# Altium PCB Tfinal3.PcbDoc (part 1 of 2) (continued)
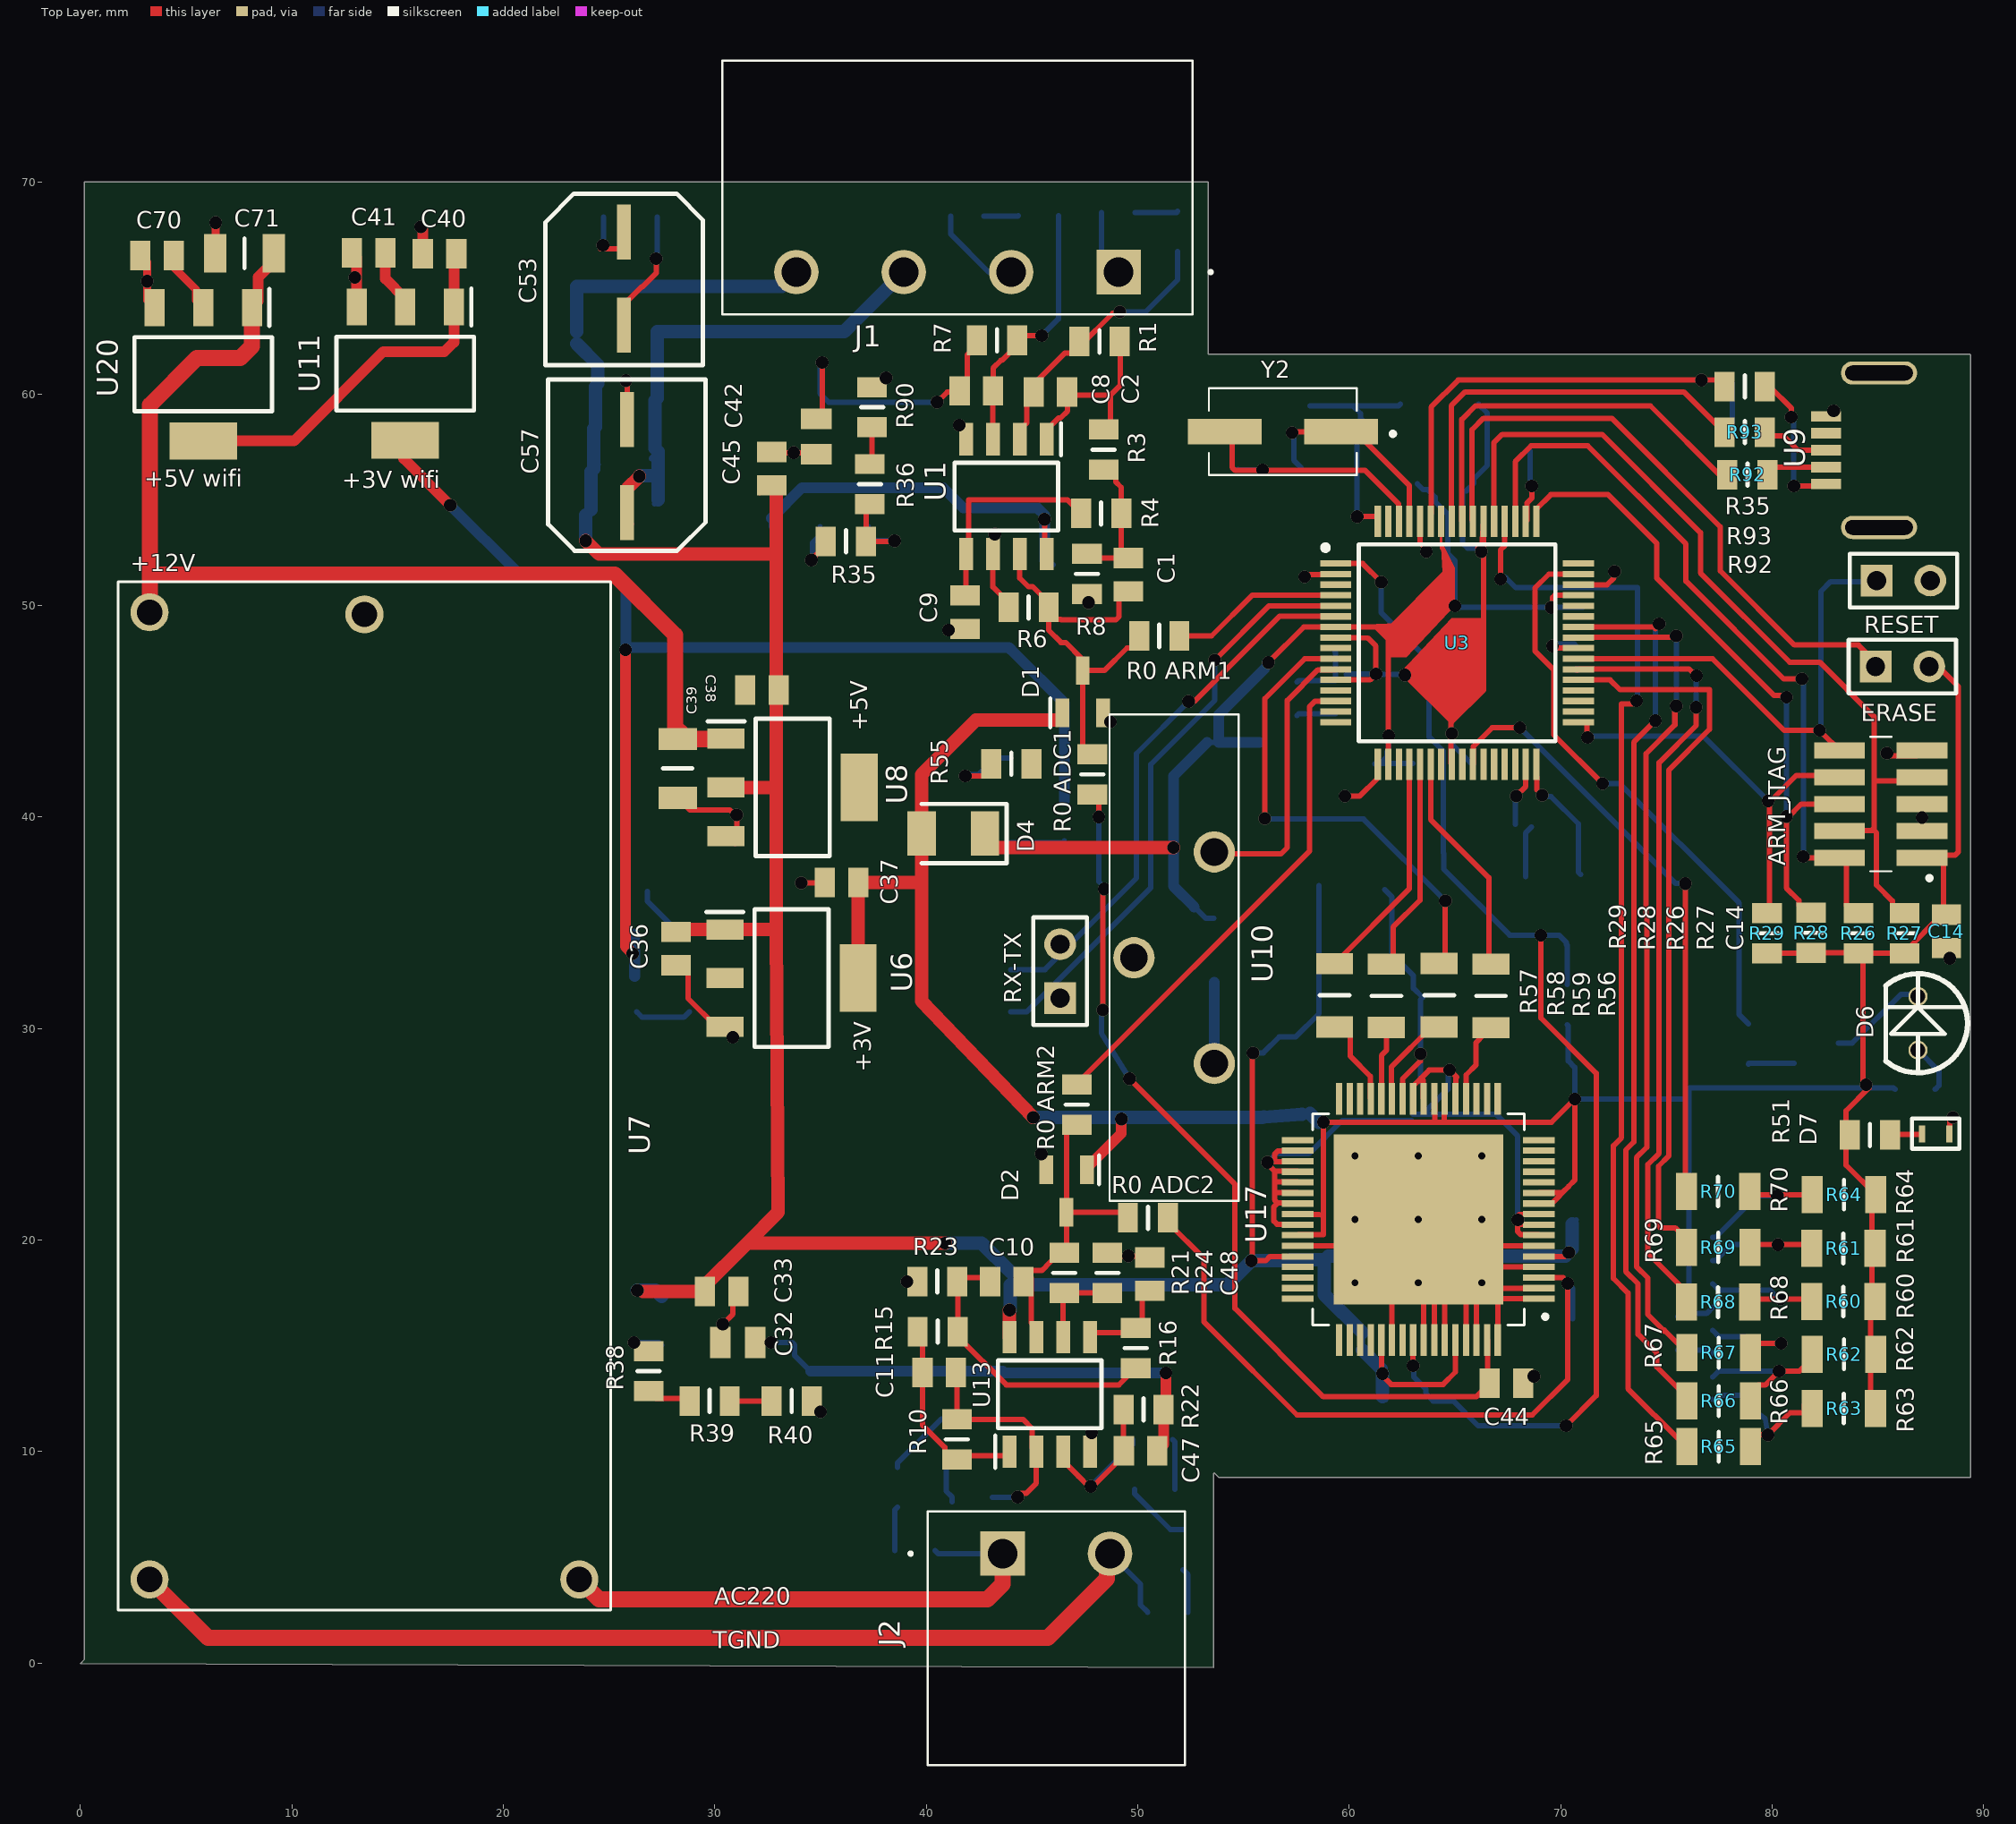
[diagram p0: Top Layer view]
## Part data (continued)
R60: library part RC1206FR-0710KL, "Res Thick Film smd 1206 10K Ohm 1% 0.25W(1/4W)", Case/Package=1206, Case Code (Metric)=3216, Manufacturer 1=Yageo, Max Operating Temperature=155°C, Max Power Dissipation=250mW, Min Operating Temperature=-55°C, Package Quantity=5000, Resistance=10kR, Resistance Tolerance=1%, Resistor Type="Thick Film", Supplier Part Number 1=311-10.0KFRCT-ND, Temperature Coefficient=100ppm/°C, Voltage Rating=200V, Case Code (Imperial)=1206, ComponentLink1Description=https://datasheet.ciiva.com/7857/1692832-7857244.pdf?src-supplier=Element14, ComponentLink1URL=https://datasheet.ciiva.com/7857/1692832-7857244.pdf?src-supplier=Element14, ComponentLink2Description=https://datasheet.ciiva.com/7857/1692832-7857245.pdf?src-supplier=Element14, ComponentLink2URL=https://datasheet.ciiva.com/7857/1692832-7857245.pdf?src-supplier=Element14, ComponentLink3Description=https://datasheet.ciiva.com/46445/444357-46445703.pdf?src-supplier=Element14, ComponentLink3URL=https://datasheet.ciiva.com/46445/444357-46445703.pdf?src-supplier=Element14, Construction=Rectangular, Depth=1.6mm, Features="Moisture Resistant", Height=0.55mm, Lead Free="Lead Free", Length=3.1mm, Manufacturer Part Number 1=RC1206FR-0710KL, Military Standard=Not, Number of Terminations=2, Packaging="Tape and Reel", Power Rating=250mW, Pricing 1="1=0,10000, 10=0,07400, 100=0,03010, 1000=0,01353, 2500=0,01174 (USD)", REACH SVHC=Unknown, RoHS=Yes, RoHS Compliant=Yes, Series=RC, Size Code=1206, Stock 1=845388, Supplier 1=Digi-Key, Termination=SMD/SMT, Tolerance=1%, Width=1.6mm
R61 R62 R63 R64: "Thick Film Resistors smd 1206(3216) 68K OHM 5% 250mW", Case/Package=1206, Case Code (Metric)=3216, Manufacturer 1=Yageo, Max Operating Temperature=155°C, Max Power Dissipation=250mW, Min Operating Temperature=-55°C, Resistance=68kR, Resistance Tolerance=5%, Resistor Type="Thick Film", Supplier Part Number 1=311-68KERCT-ND, Temperature Coefficient=100ppm/°C, Voltage Rating=200V, Case Code (Imperial)=1206, ComponentLink1Description=https://datasheet.ciiva.com/7857/444357-7857527.pdf?src-supplier=Element14, ComponentLink1URL=https://datasheet.ciiva.com/7857/444357-7857527.pdf?src-supplier=Element14, ComponentLink2Description=https://datasheet.ciiva.com/7857/444357-7857528.pdf?src-supplier=Element14, ComponentLink2URL=https://datasheet.ciiva.com/7857/444357-7857528.pdf?src-supplier=Element14, Construction=Rectangular, Depth=1.6mm, Features="Moisture Resistant", Lead Free="Lead Free", Length=3.1mm, Manufacturer Part Number 1=RC1206JR-0768KL, Military Standard=Not, Number of Terminations=2, Packaging="Tape and Reel", Power Rating=250mW, Pricing 1="1=0,10000, 10=0,06300, 100=0,02580, 1000=0,01158, 2500=0,01005 (USD)", REACH SVHC="No SVHC", RoHS=Yes, RoHS Compliant=Yes, Series=RC, Size Code=1206, Stock 1=38664, Supplier 1=Digi-Key, Termination=SMD/SMT, Tolerance=5%
R91: library part "header 1x2"
R92 R93: "Res Thick Film smd  0805 22 Ohm 5% 1/8W", Case/Package=0805, Case Code (Metric)=2012, Manufacturer 1=Yageo, Max Operating Temperature=155°C, Max Power Dissipation=125mW, Min Operating Temperature=-55°C, Resistance=22R, Resistance Tolerance=5%, Resistor Type="Thick Film", Supplier Part Number 1=311-22ARCT-ND, Temperature Coefficient=100ppm/°C, Voltage Rating=150V, Case Code (Imperial)=0805, ComponentLink1Description=http://www.mouser.com/ds/2/447/Yageo_08112016_RC0805-968729.pdf?src-supplier=Mouser, ComponentLink1URL=http://www.mouser.com/ds/2/447/Yageo_08112016_RC0805-968729.pdf?src-supplier=Mouser, ComponentLink2Description=http://www.farnell.com/datasheets/2167052.pdf?src-supplier=Farnell, ComponentLink2URL=http://www.farnell.com/datasheets/2167052.pdf?src-supplier=Farnell, ComponentLink3Description=http://components.arrow.com/part/dataview/0323_00047573?src-supplier=Arrow+Europe, ComponentLink3URL=http://components.arrow.com/part/dataview/0323_00047573?src-supplier=Arrow+Europe, ComponentLink4Description=http://www.farnell.com/datasheets/444164.pdf?src-supplier=Farnell, ComponentLink4URL=http://www.farnell.com/datasheets/444164.pdf?src-supplier=Farnell, ComponentLink5Description=http://www.yageo.com/documents/recent/PYu-RC_Group_51_RoHS_L_10.pdf?src-supplier=Digi-Key, ComponentLink5URL=http://www.yageo.com/documents/recent/PYu-RC_Group_51_RoHS_L_10.pdf?src-supplier=Digi-Key, ComponentLink6Description=http://www.yageo.com/documents/recent/PYu-RC_Group_51_RoHS_L_9.pdf?src-supplier=Digi-Key, ComponentLink6URL=http://www.yageo.com/documents/recent/PYu-RC_Group_51_RoHS_L_9.pdf?src-supplier=Digi-Key, ComponentLink7Description=http://www.yageo.com/pdf/PYu-RC0805_51_RoHS_L_4.pdf?src-supplier=Avnet, ComponentLink7URL=http://www.yageo.com/pdf/PYu-RC0805_51_RoHS_L_4.pdf?src-supplier=Avnet, ComponentLink8Description=http://www.yageo.com/documents/recent/PYu-RC0805_51_RoHS_L_5.pdf?src-supplier=Avnet+Europe, ComponentLink8URL=http://www.yageo.com/documents/recent/PYu-RC0805_51_RoHS_L_5.pdf?src-supplier=Avnet+Europe, ComponentLink9Description=http://www.farnell.com/datasheets/442941.pdf?src-supplier=Element14, ComponentLink9URL=http://www.farnell.com/datasheets/442941.pdf?src-supplier=Element14, ComponentLink10Description=http://www.yageo.ru/pdf/RC0805.pdf?src-supplier=Future+Electronics, ComponentLink10URL=http://www.yageo.ru/pdf/RC0805.pdf?src-supplier=Future+Electronics, ComponentLink11Description=http://www.farnell.com/datasheets/2167052.pdf?src-supplier=Newark, ComponentLink11URL=http://www.farnell.com/datasheets/2167052.pdf?src-supplier=Newark, ComponentLink12Description=http://www.farnell.com/datasheets/444164.pdf?src-supplier=Element14, ComponentLink12URL=http://www.farnell.com/datasheets/444164.pdf?src-supplier=Element14, Construction=Rectangular, Contact Plating=Tin,Matte,Lead, Depth=1.25mm, Features="Moisture Resistant", Lead Free="Lead Free", Length=2mm, Manufacturer Part Number 1=RC0805JR-0722RL, Military Standard=Not, Number of Terminations=2, Packaging="Tape and Reel", Power Rating=125mW, Pricing 1="1=0,10000, 10=0,03600, 100=0,01450, 1000=0,00652, 2500=0,00566 (USD)", Radiation Hardening=No, REACH SVHC=Unknown, RoHS=Yes, Series=RC, Size Code=0805, Stock 1=938847, Supplier 1=Digi-Key, Termination=SMD/SMT, Tolerance=5%
RESET: library part UX60SC-MB-5S8, "Conn Mini USB 2.0 Type B RCP 5 POS 0.8mm Solder RA SMD 5 Terminal 1 Port Embossed T/R", Current Rating=1A, Insulation Resistance=100MR, Manufacturer 1=Hirose, Max Operating Temperature=75°C, Max Voltage Rating (AC)=5V, Min Operating Temperature=-30°C, Package Quantity=1000, Supplier Part Number 1=H11589CT-ND, ComponentLink1Description=https://datasheet.ciiva.com/22666/1693469-22666928.pdf?src-supplier=Element14, ComponentLink1URL=https://datasheet.ciiva.com/22666/1693469-22666928.pdf?src-supplier=Element14, ComponentLink2Description=https://datasheet.ciiva.com/4598/ed-ux-20140717-4598805.pdf?src-supplier=Mouser, ComponentLink2URL=https://datasheet.ciiva.com/4598/ed-ux-20140717-4598805.pdf?src-supplier=Mouser, ComponentLink3Description=https://datasheet.ciiva.com/15181/getdatasheetpartid-457316-15181367.pdf?src-supplier=Verical, ComponentLink3URL=https://datasheet.ciiva.com/15181/getdatasheetpartid-457316-15181367.pdf?src-supplier=Verical, Connector Type=USB,Receptacle, Contact Material="Copper Alloy,Copper", Contact Plating=Gold, Depth=7mm, Gender=Receptacle, Lead Free="Lead Free", Length=7.7mm, Manufacturer Part Number 1=UX60SC-MB-5S8, Max Current Rating=1A, Mount="Surface Mount,Horizontal,Through Hole", Number of Contacts=5, Number of Ports=1, Number of Positions=5, Number of Rows=1, Number of Terminals/Pins=5, Orientation="Right Angle", Packaging="Tape and Reel", Pitch=0.8mm, Pricing 1="1=0,99000, 10=0,86700, 25=0,81600, 50=0,78200, 100=0,74800, 250=0,68000, 500=0,61200 (USD)", REACH SVHC="No SVHC", RoHS=Yes, Series=UX60S, Stock 1=15275, Supplier 1=Digi-Key, Termination=Solder, USB Standard="USB 2.0"
U1 U13: "IC OPAMP GP 2.8MHZ RRO 8SOIC", Case/Package=D, Input Bias Current=50pA, Input Offset Voltage (Vos)=2.2mV, Manufacturer 1="Texas Instruments", Max Dual Supply Voltage=3V, Max Operating Temperature=125°C, Max Supply Voltage=6V, Min Dual Supply Voltage=1.35V, Min Operating Temperature=-40°C, Min Supply Voltage=2.7V, Nominal Supply Current=1.8mA, Operating Supply Current=600uA, Output Current=35mA, Package Quantity=2500, Power Dissipation=710mW, Supplier Part Number 1=296-2440-1-ND, Voltage Gain=120dB, Amplifier Type="GENERAL PURPOSE", Bandwidth=2.8MHz, Common Mode Rejection Ratio=61dB, ComponentLink1Description=https://datasheet.ciiva.com/14461/tlv2475a-14461901.pdf?src-supplier=Avnet, ComponentLink1URL=https://datasheet.ciiva.com/14461/tlv2475a-14461901.pdf?src-supplier=Avnet, ComponentLink2Description=https://datasheet.ciiva.com/1798/tlv2470a-1798989.pdf?src-supplier=Digi-Key, ComponentLink2URL=https://datasheet.ciiva.com/1798/tlv2470a-1798989.pdf?src-supplier=Digi-Key, ComponentLink3Description=https://datasheet.ciiva.com/1798/tlv2470a-1798990.pdf?src-supplier=Digi-Key, ComponentLink3URL=https://datasheet.ciiva.com/1798/tlv2470a-1798990.pdf?src-supplier=Digi-Key, ComponentLink4Description=https://datasheet.ciiva.com/1798/tlv2470a-1798991.pdf?src-supplier=Digi-Key, ComponentLink4URL=https://datasheet.ciiva.com/1798/tlv2470a-1798991.pdf?src-supplier=Digi-Key, ComponentLink5Description=https://datasheet.ciiva.com/26226/tlv2475a-26226351.pdf?src-supplier=Avnet+Europe, ComponentLink5URL=https://datasheet.ciiva.com/26226/tlv2475a-26226351.pdf?src-supplier=Avnet+Europe, ComponentLink6Description=https://datasheet.ciiva.com/48711/001071769-da-01-en-ic-opamp-gp-r-r-2-tlv2472cdr-soic-8-tid-48711766.pdf?src-supplier=Conrad, ComponentLink6URL=https://datasheet.ciiva.com/48711/001071769-da-01-en-ic-opamp-gp-r-r-2-tlv2472cdr-soic-8-tid-48711766.pdf?src-supplier=Conrad, Gain Bandwidth Product=2.8MHz, Lead Free="Lead Free", Max I/O Voltage=2.2mV, Number of Channels=2, Number of Circuits=2, Number of Elements=2, Number of Pins=8, Operating Supply Voltage=3V, Output Current per Channel=35mA, Packaging="Tape and Reel", Pricing 1="1=2,73000, 10=2,45200, 25=2,31360, 100=1,97110, 250=1,85076, 500=1,61942, 1000=1,52775 (USD)", Radiation Hardening=No, RoHS=Yes, RoHS Compliant=Yes, Slew Rate=1.4V/µs, Stock 1=5061, Supplier 1=Digi-Key, Supply Current=1.8mA, Technology=CMOS, Unity Gain Bandwidth Product=2.8MHz
U2: "Charge Pump INV/STPUP -1.5V to -5.5V 120mA 8-Pin SOIC T/R", Case/Package=SOIC, Manufacturer 1="TI National Semiconductor", Max Input Voltage=5.5V, Max Operating Temperature=85°C, Min Input Voltage=1.5V, Min Operating Temperature=-40°C, Operating Supply Current=16mA, Output Current=100mA, Output Voltage=-5.5V, Quiescent Current=1mA, Supplier Part Number 1=LM2660MX/NOPBCT-ND, Switching Frequency=40kHz, ComponentLink1Description=https://datasheet.ciiva.com/26909/getdatasheetpartid-767710-26909758.pdf?src-supplier=Verical, ComponentLink1URL=https://datasheet.ciiva.com/26909/getdatasheetpartid-767710-26909758.pdf?src-supplier=Verical, ComponentLink2Description=https://datasheet.ciiva.com/6594/lm2660-6594222.pdf?src-supplier=Digi-Key, ComponentLink2URL=https://datasheet.ciiva.com/6594/lm2660-6594222.pdf?src-supplier=Digi-Key, Contact Plating=Tin,Matte, Lead Free="Lead Free", Logic Function=Inverting, Manufacturer Part Number 1=LM2660MX/NOPB, Max Supply Voltage=5.5V, Min Supply Voltage=1.5V, Mount="Surface Mount", Number of Outputs=1, Number of Pins=8, Packaging="Tape and Reel", Pricing 1="1=1,66000, 10=1,49400, 25=1,40960, 100=1,20110, 250=1,12784, 500=0,98686, 1000=0,93100 (USD)", Radiation Hardening=No, RoHS=Yes, RoHS Compliant=Yes, Stock 1=13332, Supplier 1=Digi-Key, Synchronous Rectifier=No, Weight=0.006596oz
U3: "MICROCONTROLLER MCU, 32 BIT, CORTEX-M4, 120MHZ, LQFP-64; Architecture:ARM Cortex-M4; CPU Speed:120MHz; Program Memory Size:512KB; RAM Memory Size:128KB; No. of Pins:64; MCU Case Style:LQFP; No. of I/Os:47; Supply Voltage Min:1.62V ;RoHS Compliant: Yes", Case/Package=LQFP, Frequency=120MHz, Manufacturer 1="Microchip / Atmel", Max Frequency=32MHz, Max Operating Temperature=85°C, Max Supply Voltage=3.6V, Min Operating Temperature=-40°C, Min Supply Voltage=1.62V, Package Quantity=160, Supplier Part Number 1=ATSAM4S8BA-AU-TRAY, ComponentLink1Description=https://datasheet.ciiva.com/12272/doc11100-52688-12272160.pdf?src-supplier=Mouser, ComponentLink1URL=https://datasheet.ciiva.com/12272/doc11100-52688-12272160.pdf?src-supplier=Mouser, ComponentLink2Description=https://datasheet.ciiva.com/30476/0900766b811a941e-30476054.pdf?src-supplier=RSComponents, ComponentLink2URL=https://datasheet.ciiva.com/30476/0900766b811a941e-30476054.pdf?src-supplier=RSComponents, ComponentLink3Description=https://datasheet.ciiva.com/8010/1653605-8010699.pdf?src-supplier=Element14, ComponentLink3URL=https://datasheet.ciiva.com/8010/1653605-8010699.pdf?src-supplier=Element14, Core Architecture=ARM, Data Bus Width=32b, Height=1.6mm, Interface=I2C,SPI,USB,IrDA,MMC,UART,USART, Lead Free="Lead Free", Length=12mm, Manufacturer Part Number 1=ATSAM4S8BA-AU, Memory Size=512KB, Memory Type=FLASH,ROM, Mount="Surface Mount", Number of ADC Channels=11, Number of I2C Channels=2, Number of I/Os=47, Number of Pins=64, Number of PWM Channels=4, Number of SPI Channels=1, Number of Timers/Counters=2, Number of UART Channels=2, Number of USB Channels=1, Oscillator Type=Internal, Packaging=Tray, Peripherals="Brown-out Detect/Reset,POR,PWM,WDT,DMA", Radiation Hardening=No, RAM Size=128KB, REACH SVHC="No SVHC", RoHS=Yes, RoHS Compliant=Yes, Series=SAM4S, Stock 1=0, Supplier 1="Future Electronics", Watchdog Timer=Yes, Width=10mm
U6 U11: "LDO Regulator Pos 3.3V 0.8A 4-Pin(3+Tab) SOT-223 T/R", Case/Package=SOT-223, Dropout Voltage=1.2V, Manufacturer 1="TI National Semiconductor", Max Input Voltage=15V, Max Operating Temperature=125°C, Max Output Current=800mA, Max Output Voltage=3.3V, Max Supply Voltage=10V, Min Input Voltage=4.5V, Min Operating Temperature=0°C, Min Supply Voltage=4.75V, Output Voltage Accuracy=1%, Quiescent Current=10mA, Accuracy=1%, ComponentLink1Description=https://datasheet.ciiva.com/1511/1685500-1511708.pdf?src-supplier=Element14, ComponentLink1URL=https://datasheet.ciiva.com/1511/1685500-1511708.pdf?src-supplier=Element14, ComponentLink2Description=https://datasheet.ciiva.com/26904/lm1117mp-3-3-26904890.pdf?src-supplier=IIIC, ComponentLink2URL=https://datasheet.ciiva.com/26904/lm1117mp-3-3-26904890.pdf?src-supplier=IIIC, ComponentLink3Description=https://datasheet.ciiva.com/14275/lm1117-n-14275231.pdf?src-supplier=Avnet, ComponentLink3URL=https://datasheet.ciiva.com/14275/lm1117-n-14275231.pdf?src-supplier=Avnet, ComponentLink4Description=https://datasheet.ciiva.com/1511/1685500-1511709.pdf?src-supplier=Element14, ComponentLink4URL=https://datasheet.ciiva.com/1511/1685500-1511709.pdf?src-supplier=Element14, Manufacturer Part Number 1=LM1117MP-3.3, Mount="Surface Mount", Nominal Output Voltage=3.3V, Number of Outputs=1, Number of Pins=4, Output Current=800mA, Output Type=Fixed, Output Voltage=3.3V, Packaging="Tape and Reel", Polarity=Positive, Radiation Hardening=No, REACH SVHC="No SVHC", RoHS=No, RoHS Compliant=No, Stock 1=0, Supplier 1="Arrow Electronics", Supplier Part Number 1=LM1117MP-3.3, Voltage=3.3V
U7: "AC/DC CONVERTER 12V 10W", Manufacturer 1=CUI, Max Operating Temperature=70°C, Max Output Current=850mA, Max Power Dissipation=10W, Min Operating Temperature=-25°C, Supplier Part Number 1=102-4145-ND, Voltage - Output 1=12V, Approvals=CE,cURus, ComponentLink1Description=https://www.cui.com/product/resource/digikeypdf/vof-10b.pdf?src-supplier=Digi-Key, ComponentLink1URL=https://www.cui.com/product/resource/digikeypdf/vof-10b.pdf?src-supplier=Digi-Key, Efficiency=82.32%, Manufacturer Part Number 1=VOF-10B-S12, Mount="Through Hole", Number of Outputs=1, Pricing 1="1=12,02000, 5=11,85000, 10=11,67900, 25=10,99200, 50=10,64840, 100=10,30500, 250=9,96152, 500=9,61800 (USD)", RoHS=Yes, RoHS Compliant=Yes, Stock 1=0, Supplier 1=Digi-Key
U8 U20: library part LM1117MP-5.0/NOPB, "Space saving 800-mA low-dropout linear regulator with internal current limit 4-SOT-223 0 to 125", Case/Package=SOT-223, Current Rating=800A, Dropout Voltage=1.2V, Manufacturer 1="TI National Semiconductor", Max Input Voltage=15V, Max Operating Temperature=125°C, Max Output Current=800mA, Max Supply Current=10mA, Max Supply Voltage=12V, Min Input Voltage=2.6V, Min Operating Temperature=0°C, Nominal Output Voltage=5V, Output Voltage Accuracy=1%, Package Quantity=1000, Power Supply Rejection Ratio (PSRR)=75dB, Quiescent Current=5mA, Accuracy=1%, ComponentLink1Description=https://datasheet.ciiva.com/15111/getdatasheetpartid-68363-15111331.pdf?src-supplier=Verical, ComponentLink1URL=https://datasheet.ciiva.com/15111/getdatasheetpartid-68363-15111331.pdf?src-supplier=Verical, ComponentLink2Description=https://datasheet.ciiva.com/14149/lm1117-eng-tds-14149981.pdf?src-supplier=Distrelec, ComponentLink2URL=https://datasheet.ciiva.com/14149/lm1117-eng-tds-14149981.pdf?src-supplier=Distrelec, ComponentLink3Description=https://datasheet.ciiva.com/25980/lm1117-n-25980317.pdf?src-supplier=Avnet+Europe, ComponentLink3URL=https://datasheet.ciiva.com/25980/lm1117-n-25980317.pdf?src-supplier=Avnet+Europe, ComponentLink4Description=https://datasheet.ciiva.com/6580/lm1117-n-6580058.pdf?src-supplier=Digi-Key, ComponentLink4URL=https://datasheet.ciiva.com/6580/lm1117-n-6580058.pdf?src-supplier=Digi-Key, ComponentLink5Description=https://datasheet.ciiva.com/6580/lm1117-n-6580053.pdf?src-supplier=Digi-Key, ComponentLink5URL=https://datasheet.ciiva.com/6580/lm1117-n-6580053.pdf?src-supplier=Digi-Key, Contact Plating=Tin,Matte, Height=1.6mm, Lead Free="Lead Free", Length=6.5mm, Manufacturer Part Number 1=LM1117MP-5.0/NOPB, Min Current Limit=800mA, Mount="Surface Mount", Number of Outputs=1, Number of Pins=4, Number of Regulators=1, Output Configuration=Positive, Output Current=800mA, Output Type=Fixed, Output Voltage=5V, Packaging="Tape and Reel", Polarity=Positive, Pricing 1="1=1,08320, 1000=0,48480 (USD)", Radiation Hardening=No, REACH SVHC="No SVHC", RoHS=Yes, RoHS Compliant=Yes, Series=-, Stock 1=2, Supplier 1="Arrow Electronics", Supplier Part Number 1=LM1117MP-5.0/NOPB, Width=3.56mm
U17: "Octal Channel Quad ADC Delta-Sigma 52ksps 16-bit Serial 64-Pin HTQFP EP T/R", Case/Package=HTQFP, Manufacturer 1="Texas Instruments", Max Operating Temperature=85°C, Max Power Dissipation=210mW, Max Supply Voltage=5.25V, Min Operating Temperature=-40°C, Min Supply Voltage=4.75V, Nominal Supply Current=23mA, Operating Supply Voltage=5V, Package Quantity=250, Power Consumption=135mW, Supplier Part Number 1=296-22951-1-ND, ComponentLink1Description=https://datasheet.ciiva.com/7226/46094-7226797.pdf?src-supplier=Newark, ComponentLink1URL=https://datasheet.ciiva.com/7226/46094-7226797.pdf?src-supplier=Newark, ComponentLink2Description=https://datasheet.ciiva.com/41461/001186699-da-01-en-ic-adc-16bit-q-ads1174ipapt-htqfp-64-tid-41461041.pdf?src-supplier=Conrad, ComponentLink2URL=https://datasheet.ciiva.com/41461/001186699-da-01-en-ic-adc-16bit-q-ads1174ipapt-htqfp-64-tid-41461041.pdf?src-supplier=Conrad, ComponentLink3Description=https://datasheet.ciiva.com/26800/ads1174ipapt-26800957.pdf?src-supplier=IIIC, ComponentLink3URL=https://datasheet.ciiva.com/26800/ads1174ipapt-26800957.pdf?src-supplier=IIIC, ComponentLink4Description=https://datasheet.ciiva.com/1704/1831206-1704289.pdf?src-supplier=Element14, ComponentLink4URL=https://datasheet.ciiva.com/1704/1831206-1704289.pdf?src-supplier=Element14, ComponentLink5Description=https://datasheet.ciiva.com/1264/ads1174-1264637.pdf?src-supplier=Digi-Key, ComponentLink5URL=https://datasheet.ciiva.com/1264/ads1174-1264637.pdf?src-supplier=Digi-Key, ComponentLink6Description=https://datasheet.ciiva.com/1264/ads1174-1264636.pdf?src-supplier=Digi-Key, ComponentLink6URL=https://datasheet.ciiva.com/1264/ads1174-1264636.pdf?src-supplier=Digi-Key, ComponentLink7Description=https://datasheet.ciiva.com/1264/ads1174-1264638.pdf?src-supplier=Digi-Key, ComponentLink7URL=https://datasheet.ciiva.com/1264/ads1174-1264638.pdf?src-supplier=Digi-Key, ComponentLink8Description=https://datasheet.ciiva.com/14257/sbas373b-14257851.pdf?src-supplier=Avnet, ComponentLink8URL=https://datasheet.ciiva.com/14257/sbas373b-14257851.pdf?src-supplier=Avnet, Contact Plating=Gold, Conversion Rate=52KS/s, Differential Nonlinearity=1LSB, Height=1.05mm, Input Type=SINGLE-ENDED, Integral Nonlinearity (INL)=1LSB, Interface=SPI, Lead Free="Lead Free", Length=10.2mm, Manufacturer Part Number 1=ADS1174IPAPT, Mount="Surface Mount", Number of A/D Converters=4, Number of Analog Inputs=8, Number of Bits=16, Number of Channels=4, Number of Converters=4, Number of Elements=4, Number of Inputs=4, Number of Pins=64, Packaging="Tape and Reel", Polarity=Bipolar, Power Dissipation=135mW, Pricing 1="1=16,29000, 10=14,97100, 25=14,35040, 100=12,80650 (USD)", REACH SVHC="No SVHC", Resolution=16b, RoHS=Yes, RoHS Compliant=Yes, Sampling Rate=52KS/s, Signal to Noise Ratio (SNR)=97dB, Stock 1=229, Supplier 1=Digi-Key, Supply Current=23mA, Supply Type=Analog,Digital, Termination=SMD/SMT, Width=10.2mm
U19: "Fixed Positive LDO Regulator, 1.8V, 1.3V Dropout, BIPolar, PDSO4", Case/Package=SOT-223, Current Rating=800A, Dropout Voltage=1.2V, Manufacturer 1="TI National Semiconductor", Max Input Voltage=15V, Max Operating Temperature=125°C, Max Output Current=800mA, Max Output Voltage=1.8V, Max Supply Current=10mA, Min Input Voltage=2.6V, Min Operating Temperature=0°C, Output Voltage Accuracy=1%, Package Quantity=1000, Power Supply Rejection Ratio (PSRR)=75dB, Quiescent Current=5mA, Supplier Part Number 1=LM1117MP-1.8/NOPBCT-ND, Accuracy=1%, ComponentLink1Description=https://datasheet.ciiva.com/34302/1282062-34302143.pdf?src-supplier=Jameco, ComponentLink1URL=https://datasheet.ciiva.com/34302/1282062-34302143.pdf?src-supplier=Jameco, ComponentLink2Description=https://datasheet.ciiva.com/26904/lm1117mp-1-8-nopb-26904877.pdf?src-supplier=IIIC, ComponentLink2URL=https://datasheet.ciiva.com/26904/lm1117mp-1-8-nopb-26904877.pdf?src-supplier=IIIC, ComponentLink3Description=https://datasheet.ciiva.com/2047/lm1117-n-2047309.pdf?src-supplier=Digi-Key, ComponentLink3URL=https://datasheet.ciiva.com/2047/lm1117-n-2047309.pdf?src-supplier=Digi-Key, ComponentLink4Description=https://datasheet.ciiva.com/2047/lm1117-n-2047310.pdf?src-supplier=Digi-Key, ComponentLink4URL=https://datasheet.ciiva.com/2047/lm1117-n-2047310.pdf?src-supplier=Digi-Key, ComponentLink5Description=https://datasheet.ciiva.com/2047/lm1117-n-2047311.pdf?src-supplier=Digi-Key, ComponentLink5URL=https://datasheet.ciiva.com/2047/lm1117-n-2047311.pdf?src-supplier=Digi-Key, ComponentLink6Description=https://datasheet.ciiva.com/1570/1849796-1570200.pdf?src-supplier=Farnell, ComponentLink6URL=https://datasheet.ciiva.com/1570/1849796-1570200.pdf?src-supplier=Farnell, ComponentLink7Description=https://datasheet.ciiva.com/8042/10195-8042269.pdf?src-supplier=Element14, ComponentLink7URL=https://datasheet.ciiva.com/8042/10195-8042269.pdf?src-supplier=Element14, ComponentLink8Description=https://datasheet.ciiva.com/25980/lm1117-n-25980605.pdf?src-supplier=Avnet+Europe, ComponentLink8URL=https://datasheet.ciiva.com/25980/lm1117-n-25980605.pdf?src-supplier=Avnet+Europe, ComponentLink9Description=https://datasheet.ciiva.com/14149/lm1117-eng-tds-14149978.pdf?src-supplier=Distrelec, ComponentLink9URL=https://datasheet.ciiva.com/14149/lm1117-eng-tds-14149978.pdf?src-supplier=Distrelec, Contact Plating=Tin,Matte, Height=1.6mm, Lead Free="Lead Free", Length=6.5mm, Manufacturer Part Number 1=LM1117MP-1.8/NOPB, Moisture Sensitivity Level=1, Mount="Surface Mount", Nominal Output Voltage=1.8V, Number of Outputs=1, Number of Pins=4, Number of Regulators=1, Number of Terminals/Pins=4, Output Configuration=Positive, Output Current=800mA, Output Type=Fixed, Output Voltage=1.8V, Packaging="Tape and Reel", Polarity=Positive, Pricing 1="1=1,41000, 10=1,26300, 25=1,19920, 100=0,98500, 250=0,92072, 500=0,81366 (USD)", Radiation Hardening=No, REACH SVHC="No SVHC", RoHS=Yes, Series=-, Stock 1=994, Supplier 1=Digi-Key, Terminal Finish=Tin, Terminal Form=SMD/SMT, Termination=SMD/SMT, Width=3.56mm
Y1: "Crystal 0.032768MHz ±20ppm (Tol) 12.5pF Flexural 70000Ohm 2-Pin CSMD T/R", Case/Package=SMD/SMT, ESR (Equivalent Series Resistance)=70kR, Frequency=32.768kHz, Frequency Tolerance=20ppm, Load Capacitance=12.5pF, Manufacturer 1="ECS International", Max Operating Temperature=125°C, Min Operating Temperature=-40°C, Package Quantity=3000, Supplier Part Number 1=XC1967CT-ND, ComponentLink1Description=https://datasheet.ciiva.com/15047/ecx-34s-15047020.pdf?src-supplier=Digi-Key, ComponentLink1URL=https://datasheet.ciiva.com/15047/ecx-34s-15047020.pdf?src-supplier=Digi-Key, ComponentLink2Description=https://datasheet.ciiva.com/15047/ecx-34s-15047021.pdf?src-supplier=Digi-Key, ComponentLink2URL=https://datasheet.ciiva.com/15047/ecx-34s-15047021.pdf?src-supplier=Digi-Key, ComponentLink3Description=https://datasheet.ciiva.com/15047/ecx-34s-15047022.pdf?src-supplier=Digi-Key, ComponentLink3URL=https://datasheet.ciiva.com/15047/ecx-34s-15047022.pdf?src-supplier=Digi-Key, Height=0.035inch, Lead Free="Lead Free", Lead Pitch=1.8mm, Length=0.126inch, Manufacturer Part Number 1=ECS-.327-12.5-34S-TR, Mount="Surface Mount", Number of Pins=2, Packaging="Tape and Reel", Pricing 1="1=1,37000, 10=1,21400, 50=1,13520, 100=1,00320, 500=0,95040, 1000=0,79200 (USD)", RoHS=Yes, RoHS Compliant=Yes, Series=ECX-34S, Stock 1=0, Supplier 1=Digi-Key, Termination=SMD/SMT, Tolerance=20ppm, Width=1.5mm
Y2: "CRYSTAL 12.0000MHZ 20PF SMD", ESR (Equivalent Series Resistance)=60R, Frequency=12MHz, Frequency Stability=50ppm, Frequency Tolerance=30ppm, Load Capacitance=20pF, Manufacturer 1="ECS International", Max Operating Temperature=70°C, Min Operating Temperature=-10°C, Package Quantity=1, Supplier Part Number 1=XC1770CT-ND, ComponentLink1Description=https://datasheet.ciiva.com/852/csm-3x-852331.pdf?src-supplier=Digi-Key, ComponentLink1URL=https://datasheet.ciiva.com/852/csm-3x-852331.pdf?src-supplier=Digi-Key, ComponentLink2Description=https://datasheet.ciiva.com/852/csm-3x-852332.pdf?src-supplier=Digi-Key, ComponentLink2URL=https://datasheet.ciiva.com/852/csm-3x-852332.pdf?src-supplier=Digi-Key, ComponentLink3Description=https://datasheet.ciiva.com/852/csm-3x-852333.pdf?src-supplier=Digi-Key, ComponentLink3URL=https://datasheet.ciiva.com/852/csm-3x-852333.pdf?src-supplier=Digi-Key, Height=0.091inch, Lead Free="Lead Free", Length=0.276inch, Manufacturer Part Number 1=ECS-120-20-3X-TR, Mount="Surface Mount", Number of Pins=2, Packaging="Tape and Reel", Pricing 1="1=0,34000, 10=0,28800, 50=0,25880, 100=0,23000, 500=0,21850, 1000=0,18400 (USD)", RoHS=Yes, Series=CSM-3X, Stock 1=16869, Supplier 1=Digi-Key, Termination=SMD/SMT, Tolerance=30ppm, Width=4.1mm

## Via types
v1: diameter 0.6, hole 0.6, Top Layer to Bottom Layer, tented top, 122 vias
v2: diameter 0.66, hole 0.33, Top Layer to Bottom Layer, 9 vias
v3: diameter 0.6, hole 0.6, Top Layer to Bottom Layer, 1 vias

## Nets (pads, with @x,y where several pads share a name; then routed paths per layer and width w, separated by ;. In a path a pad name is that pad's centre, name@x,y a point inside that pad or via, vN(x,y) a via of type N, cw(c..) or ccw(c..) an arc to the next point about the centre after c; other vN are vias at no path point)
"+1V5 ADC": 
+1V5c: C8.2 C42.1 IC2.2 IC2.4 R7.2 R35.1@35.255,53.035 | length 16.9
  Top Layer w0.254: v1(34.569,52.146) 34.569,52.164 35.255,52.85 R35.1@35.255,53.035 ; C42.1@34.798,58.818 35.077,59.098 v1(35.077,61.493) ; v1(40.513,59.614) 40.995,60.095 41.528,60.095 C8.2@41.58,60.147 41.933,60.5 41.933,61.845 42.398,62.31 R7.2@42.398,62.535
  Bottom Layer w0.254: v1(34.569,52.146) 34.628,52.205 34.628,52.973 34.976,53.321 IC2.2@34.976,53.721 ; v1(35.077,61.493) 34.976,61.392 IC2.4@34.976,60.021 35.383,59.614 v1(40.513,59.614)
+1V5v: C32.1 C47.1 IC1.2 IC1.4 R22.2 R38.2 | length 25.6
  Top Layer w0.254: v1(26.187,15.164) 26.594,14.757 R38.2@26.873,14.757 ; C47.1@50.927,10.038 C47.1@51.227,10.338 ; R22.2@51.227,11.994 R22.2@51.333,12.1
  Top Layer w0.508: C47.1@51.227,10.338 R22.2@51.227,11.994 ; R22.2@51.333,12.1 v1(51.333,13.716)
  Bottom Layer w0.254: v1(26.187,15.164) 27.355,15.164 IC1.2@27.482,15.037 ; v1(32.664,15.164) 33.655,15.164 IC1.4@33.782,15.037 33.782,14.545 IC1.4@34.53,13.797 ; 43.607,13.797 43.688,13.716
  Bottom Layer w0.508: IC1.4@34.53,13.797 43.607,13.797 ; 43.688,13.716 v1(51.333,13.716)
+1V8: C68.1 C69.1 U17.26 U19.2 U19.4 | length 12.5
  Top Layer w0.254: U17.26@62.521,26.68 62.521,27.622 63.373,28.473 v1(63.373,28.804)
  Bottom Layer w0.254: C69.1@61.671,36.576 62.024,36.223 62.024,33.521 63.043,32.502 U19.4@63.043,31.902 63.475,31.471 63.373,31.369 v1(63.373,28.804) 63.373,27.485 C68.1@63.475,27.384